# KiCad board beaglebone-ai-rev-a2.kicad_pcb (continued)
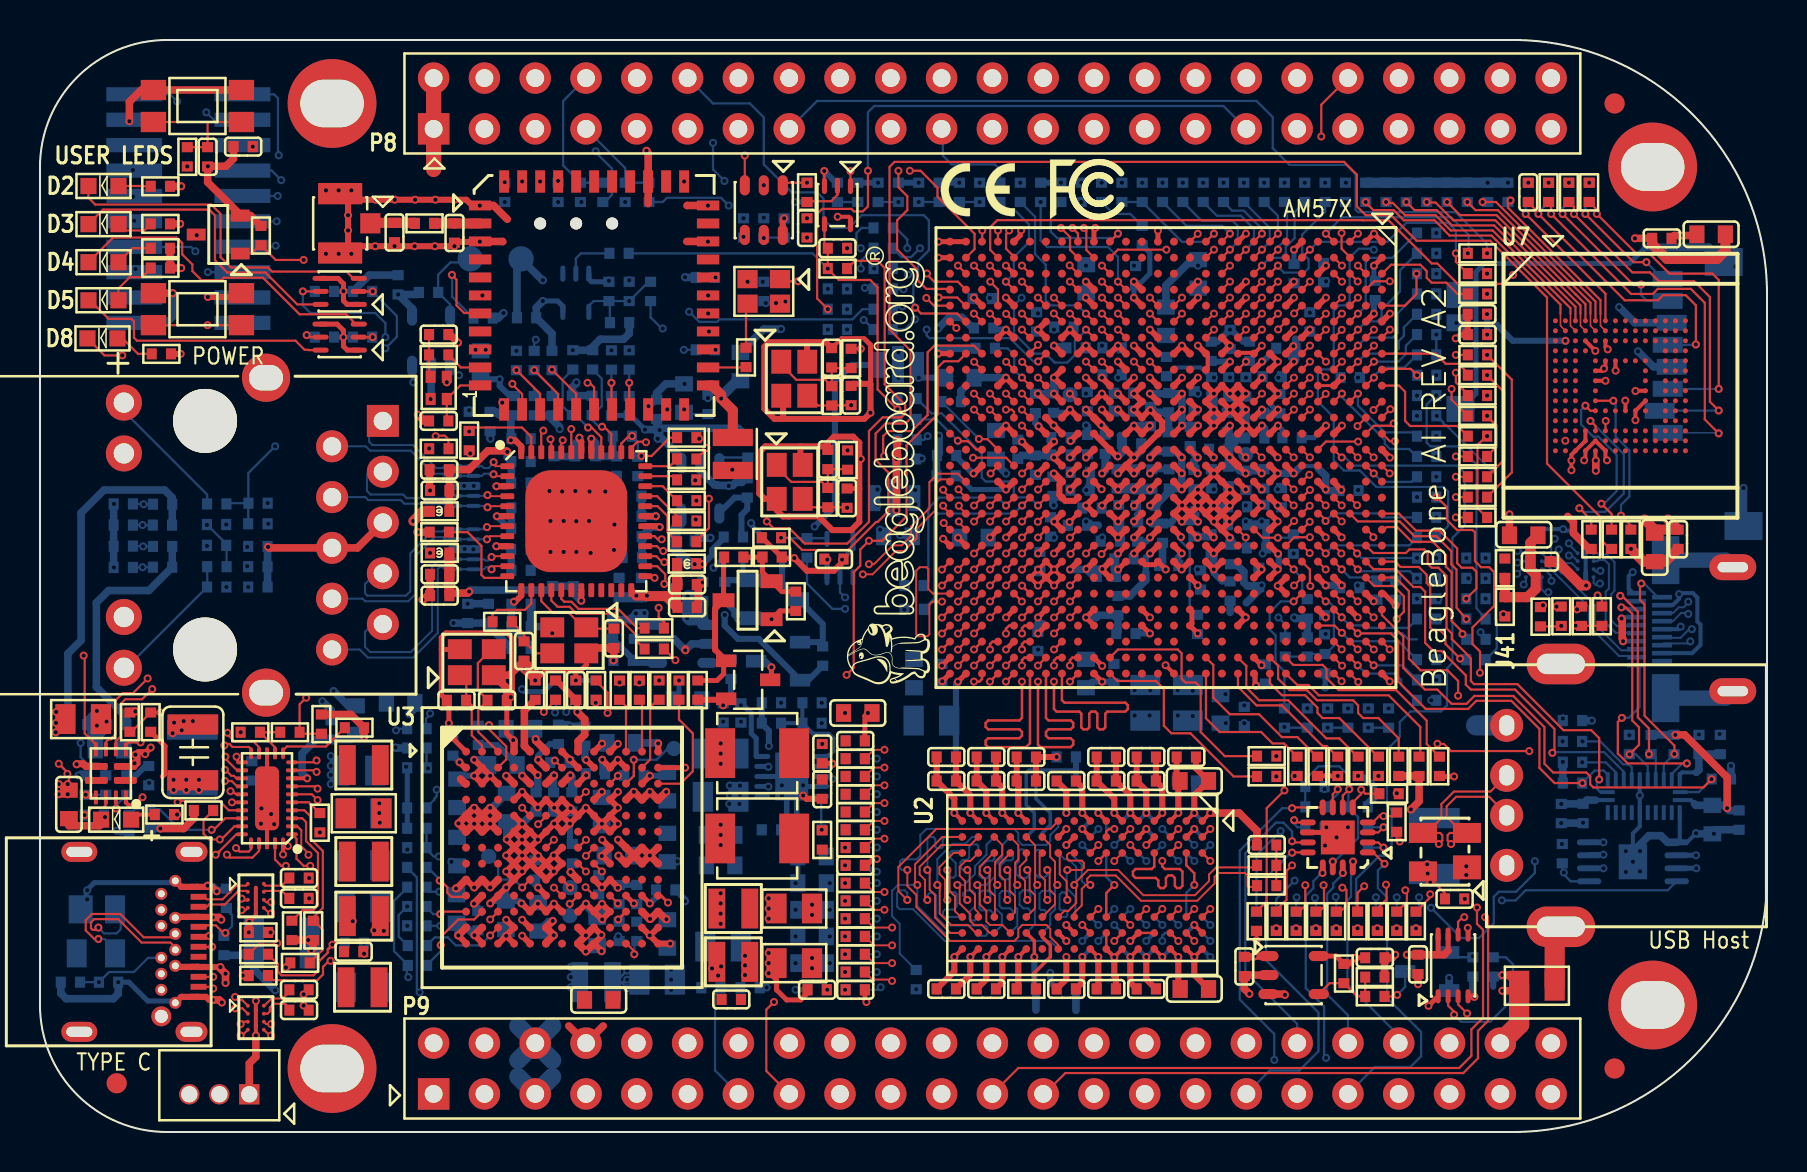
[diagram p0: board, top side]
## Footprints (pads in the part's own frame, mm; a bottom-side part is the same pattern mirrored in y, then rotated) (continued)
HDMIS19_4P4
  rect 0.23x0.952 smd: 1(-1.8,-4.816) 3(-1.4,-4.816) 5(-1,-4.816) 7(-0.6,-4.816) 9(-0.2,-4.816) 11(0.2,-4.816) 13(0.6,-4.816) 15(1,-4.816) 17(1.4,-4.816) 19(1.8,-4.816)
  rect 0.23x1 smd: 2(-1.6,-3.54) 4(-1.2,-3.54) 6(-0.8,-3.54) 8(-0.4,-3.54) 10(0,-3.54) 12(0.4,-3.54) 14(0.8,-3.54) 16(1.2,-3.54) 18(1.6,-3.54)
  oval 1.3x2.35 hole 0.508x1.52: 20(-3.1,0) 21(3.1,0)
  rect 2.4x1.38 smd: 22(-3.45,-3.36) 23(3.45,-3.36)
HEADER10X2_SMD
  rect 0.711x2.794 smd: 1(5.715,2.705) 2(5.715,-2.705) 3(4.445,2.705) 4(4.445,-2.705) 5(3.175,2.705) 6(3.175,-2.705) 7(1.905,2.705) 8(1.905,-2.705) 9(0.635,2.705) 10(0.635,-2.705) 11(-0.635,2.705) 12(-0.635,-2.705) 13(-1.905,2.705) 14(-1.905,-2.705) 15(-3.175,2.705) 16(-3.175,-2.705) 17(-4.445,2.705) 18(-4.445,-2.705) 19(-5.715,2.705) 20(-5.715,-2.705)
INDPW250X200X105N
  rect 0.85x2 smd: 1(-0.825,0) 2(0.825,0)
INDPW250X200X105N#2
  rect 0.85x2 smd: 1(0.825,0) 2(-0.825,0)
L25X20
  rect 0.864x2.007 smd: 1(0.825,0) 2(-0.825,0)
L40X40_B
  rect 1.499x2.489 smd: 1(-1.85,0) 2(1.85,0)
L0402
  rect 0.508x0.559 smd: 1(-0.483,0) 2(0.483,0)
L0402#2
  rect 0.508x0.559 smd: 1(0.483,0) 2(-0.483,0)
L0603
  rect 0.762x0.889 smd: 1(0.711,0) 2(-0.711,0)
MTGH200C125D_PL
  round 4.445 hole 3.175x2.381: 1(0,0)
OSCCC250X200X60-4N
  rect 1.2x1 smd: 1(0.85,0.65) 2(-0.85,0.65) 3(-0.85,-0.65) 4(0.85,-0.65)
OSCCC250X200X60-4N#2
  rect 1.2x1 smd: 1(-0.85,-0.65) 2(0.85,-0.65) 3(0.85,0.65) 4(-0.85,0.65)
QFN48_0D5_7X7MM
  rrect 0.7x0.3 smd: 1(-3.45,2.75) 2(-3.45,2.25) 3(-3.45,1.75) 4(-3.45,1.25) 5(-3.45,0.75) 6(-3.45,0.25) 7(-3.45,-0.25) 8(-3.45,-0.75) 9(-3.45,-1.25) 10(-3.45,-1.75) 11(-3.45,-2.25) 12(-3.45,-2.75) 25(3.45,-2.75) 26(3.45,-2.25) 27(3.45,-1.75) 28(3.45,-1.25) 29(3.45,-0.75) 30(3.45,-0.25) 31(3.45,0.25) 32(3.45,0.75) 33(3.45,1.25) 34(3.45,1.75) 35(3.45,2.25) 36(3.45,2.75)
  rrect 0.3x0.7 smd: 13(-2.75,-3.45) 14(-2.25,-3.45) 15(-1.75,-3.45) 16(-1.25,-3.45) 17(-0.75,-3.45) 18(-0.25,-3.45) 19(0.25,-3.45) 20(0.75,-3.45) 21(1.25,-3.45) 22(1.75,-3.45) 23(2.25,-3.45) 24(2.75,-3.45) 37(2.75,3.45) 38(2.25,3.45) 39(1.75,3.45) 40(1.25,3.45) 41(0.75,3.45) 42(0.25,3.45) 43(-0.25,3.45) 44(-0.75,3.45) 45(-1.25,3.45) 46(-1.75,3.45) 47(-2.25,3.45) 48(-2.75,3.45)
  rrect 5.1x5.1 smd: 49(0,0)
QFN50P300X300X100-17N
  oval 0.8x0.3 smd: 1(-1.5,0.75) 2(-1.5,0.25) 3(-1.5,-0.25) 4(-1.5,-0.75) 9(1.5,-0.75) 10(1.5,-0.25) 11(1.5,0.25) 12(1.5,0.75)
  oval 0.3x0.8 smd: 5(-0.75,-1.5) 6(-0.25,-1.5) 7(0.25,-1.5) 8(0.75,-1.5) 13(0.75,1.5) 14(0.25,1.5) 15(-0.25,1.5) 16(-0.75,1.5)
  rect 1.7x1.7 smd: 17(0,0)
R0402
  rect 0.508x0.559 smd: 1(0.483,0) 2(-0.483,0)
R0402#2
  rect 0.508x0.559 smd: 1(-0.483,0) 2(0.483,0)
R0805
  rect 1.016x1.499 smd: 1(-0.889,0) 2(0.889,0)
RJ45_MTCONN_JTRJ45-4118NLF
  round 3.2 hole 3.2 unplated: (-5.715,-0.1) (5.715,-0.1)
  rect 1.6x1.6 hole 0.914: 1(5.715,-8.99)
  round 1.6 hole 0.914: 2(4.445,-6.45) 3(3.175,-8.99) 4(1.905,-6.45) 5(0.635,-8.99) 6(-0.635,-6.45) 7(-1.905,-8.99) 8(-3.175,-6.45) 9(-4.445,-8.99) 10(-5.715,-6.45)
  round 1.803 hole 1.016: 11(6.63,3.96) 12(4.09,3.96) 13(-4.09,3.96) 14(-6.63,3.96)
  round 2.413 hole 1.276x1.702: 15(7.875,-3.15) 16(-7.875,-3.15)
SC70_5
  oval 0.813x0.254 smd: 1(0.956,-0.65) 2(0.956,0) 3(0.956,0.65) 4(-0.956,0.65) 5(-0.956,-0.65)
SD_HSF-COMPLIANT_MCTF-0606
  rect 0.8x1.5 smd: 1(1.94,-3.138) 2(0.84,-2.738) 3(-0.26,-3.138) 4(-1.36,-3.338) 5(-2.46,-3.138) 6(-3.56,-3.338) 7(-4.66,-3.138) 8(-5.76,-3.138)
  rect 0.85x1 smd: 9(-3.56,7.422)
  rect 1.4x1.9 smd: 10(6.6,-6.927) 11(-6.6,-5.938)
  rect 1.3x1.4 smd: 12(0.75,7.222) 13(-4.95,7.222)
SOP8_1FH
  oval 1.219x0.305 smd: 1(2.19,-0.975) 2(2.19,-0.325) 3(2.19,0.325) 4(2.19,0.975) 5(-2.19,0.975) 6(-2.19,0.325) 7(-2.19,-0.325) 8(-2.19,-0.975)
  rect 1.422x1.753 smd: 9(0,0)
SOT23_5
  oval 1.016x0.508 smd: 1(-1.258,0.95) 2(-1.258,0) 3(-1.258,-0.95) 4(1.258,-0.95) 5(1.258,0.95)
SOT23_5#2
  oval 1.016x0.508 smd: 1(1.258,-0.95) 2(1.258,0) 3(1.258,0.95) 4(-1.258,0.95) 5(-1.258,-0.95)
SOT23_6
  oval 1.016x0.508 smd: 1(1.242,-0.95) 2(1.242,0) 3(1.242,0.95) 4(-1.242,0.95) 5(-1.242,0) 6(-1.242,-0.95)
SOT23_123
  rect 0.635x1.016 smd: 1(0.95,1.1) 2(-0.95,1.1) 3(0,-1.1)
SOT95P240X111-3N
  rect 0.95x0.6 smd: 1(-1.1,0.95) 2(-1.1,-0.95) 3(1.1,0)
SOT95P240X120-3N
  rect 1.1x0.7 smd: 1(-1.2,0.95) 2(-1.2,-0.95) 3(1.2,0)
SOT95P240X120-3N#2
  rect 1.1x0.7 smd: 1(1.2,-0.95) 2(1.2,0.95) 3(-1.2,0)
SOT143_190P240X115-4N
  rect 1.2x1.4 smd: 1(0.76,1.1)
  rect 1x1.4 smd: 2(-0.96,1.1) 3(-0.96,-1.1) 4(0.96,-1.1)
SOT363_6
  oval 0.813x0.254 smd: 1(-0.956,0.65) 2(-0.956,0) 3(-0.956,-0.65) 4(0.956,-0.65) 5(0.956,0) 6(0.956,0.65)
SWS4B46X28
  rect 1.27x1.016 smd: 1(-2.2,-0.8) 2(-2.2,0.8) 3(2.2,-0.8) 4(2.2,0.8)
TP30
  round 0.762 smd: 1(0,0)
TP60C_SMD
  round 1.27 smd: 1(0,0)
UQFN24_0D4_4X2X0_55MM
  rrect 0.75x0.2 smd: 1(0.825,-1.8) 2(0.825,-1.4) 3(0.825,-1) 4(0.825,-0.6) 5(0.825,-0.2) 6(0.825,0.2) 7(0.825,0.6) 8(0.825,1) 9(0.825,1.4) 10(0.825,1.8) 13(-0.825,1.8) 14(-0.825,1.4) 15(-0.825,1) 16(-0.825,0.6) 17(-0.825,0.2) 18(-0.825,-0.2) 19(-0.825,-0.6) 20(-0.825,-1) 21(-0.825,-1.4) 22(-0.825,-1.8)
  rrect 0.2x0.75 smd: 11(0.2,1.825) 12(-0.2,1.825) 23(-0.2,-1.825) 24(0.2,-1.825)
USB_A_SH
  round 1.651 hole 1.016x0.762: 1(3.5,-2.71) 2(1.001,-2.71) 3(-1.001,-2.71) 4(-3.5,-2.71)
  oval 2.032x3.429 hole 1.016x2.413: 5(6.571,0) 6(-6.571,0)
USB_MTCONN_UBF31-0170
  round 1 hole 0.65: (-3.725,1.81)
  oval 1x1.6 hole 0.5x1.1: 1(4.5,0.3) 2(-4.5,0.3)
  oval 1x1.8 hole 0.5x1.3: 3(4.5,5.91) 4(-4.5,5.91)
  rect 0.3x0.802 smd: A1(2.75,-0.051) A2(2.25,-0.051) A3(1.75,-0.051) A4(1.25,-0.051) A5(0.75,-0.051) A6(0.25,-0.051) A7(-0.25,-0.051) A8(-0.75,-0.051) A9(-1.25,-0.051) A10(-1.75,-0.051) A11(-2.25,-0.051) A12(-2.75,-0.051)
  round 0.6 hole 0.35: B1(-3.05,1.11) B2(-2.4,1.81) B3(-1.6,1.81) B4(-1.2,1.11) B5(-0.8,1.81) B6(-0.4,1.11) B7(0.4,1.11) B8(0.8,1.81) B9(1.2,1.11) B10(1.6,1.81) B11(2.4,1.81) B12(3.05,1.11)
USON10_0D5_2D5X1X0D5MM
  oval 0.2x0.7 smd: 1(1,0.45) 2(0.5,0.45) 4(-0.5,0.45) 5(-1,0.45) 6(-1,-0.45) 7(-0.5,-0.45) 9(0.5,-0.45) 10(1,-0.45)
  rrect 0.4x0.7 smd: 3(0,0.45) 8(0,-0.45)
VQFN12_0D5_2X2_5X1MM
  rrect 1.15x0.35 smd: 1(-0.725,0.35) 2(-0.725,-0.35) 7(0.725,-0.35) 8(0.725,0.35)
  rrect 0.2x0.7 smd: 3(-0.75,-1.2) 4(-0.25,-1.2) 5(0.25,-1.2) 6(0.75,-1.2) 9(0.75,1.2) 10(0.25,1.2) 11(-0.25,1.2) 12(-0.75,1.2)
VSON50P300X300X100-11N
  oval 0.8x0.25 smd: 1(1.475,-1) 2(1.475,-0.5) 3(1.475,0) 4(1.475,0.5) 5(1.475,1) 6(-1.475,1) 7(-1.475,0.5) 8(-1.475,0) 9(-1.475,-0.5) 10(-1.475,-1)
  custom 1.65x3.8 smd: 11(0,0)
VSSOP8CR
  oval 0.711x0.254 smd: 1(1.544,-0.75) 2(1.544,-0.25) 3(1.544,0.25) 4(1.544,0.75) 5(-1.544,0.75) 6(-1.544,0.25) 7(-1.544,-0.25) 8(-1.544,-0.75)
WLBT90P1200X1200X160-47N
  round 0.6 hole 0.6 unplated: (-2.7,3.6) (-0.9,3.6) (0.9,3.6)
  rect 1.125x0.5 smd: 1(-5.7,4.5) 2(-5.7,3.6) 3(-5.7,2.7) 4(-5.7,1.8) 5(-5.7,0.9) 6(-5.7,0) 7(-5.7,-0.9) 8(-5.7,-1.8) 9(-5.7,-2.7) 10(-5.7,-3.6) 11(-5.7,-4.5) 23(5.7,-4.5) 24(5.7,-3.6) 25(5.7,-2.7) 26(5.7,-1.8) 27(5.7,-0.9) 28(5.7,0) 29(5.7,0.9) 30(5.7,1.8) 31(5.7,2.7) 32(5.7,3.6) 33(5.7,4.5)
  rect 0.5x1.125 smd: 12(-4.5,-5.7) 13(-3.6,-5.7) 14(-2.7,-5.7) 15(-1.8,-5.7) 16(-0.9,-5.7) 17(0,-5.7) 18(0.9,-5.7) 19(1.8,-5.7) 20(2.7,-5.7) 21(3.6,-5.7) 22(4.5,-5.7) 34(4.5,5.7) 35(3.6,5.7) 36(2.7,5.7) 37(1.8,5.7) 38(0.9,5.7) 39(0,5.7) 40(-0.9,5.7) 41(-1.8,5.7) 42(-2.7,5.7) 43(-3.6,5.7) 44(-4.5,5.7)
WLCSP10C40P3X4_117X157X60N
  round 0.2 smd: A1(-0.4,0.6) A2(-0.4,0.2) A3(-0.4,-0.2) A4(-0.4,-0.6) B1(0,0.4) B2(0,-0.4) C1(0.4,0.6) C2(0.4,0.2) C3(0.4,-0.2) C4(0.4,-0.6)
WLCSP10C40P3X4_117X157X60N#2
  round 0.2 smd: A1(0.4,-0.6) A2(0.4,-0.2) A3(0.4,0.2) A4(0.4,0.6) B1(0,-0.4) B2(0,0.4) C1(-0.4,-0.6) C2(-0.4,-0.2) C3(-0.4,0.2) C4(-0.4,0.6)
WQFN30_0D4_4_5X2_5X0_8MM
  oval 0.6x0.2 smd: 1(-1.25,1.8) 10(-1.25,-1.8) 16(1.25,-1.8) 25(1.25,1.8)
  rrect 0.6x0.2 smd: 2(-1.25,1.4) 3(-1.25,1) 4(-1.25,0.6) 5(-1.25,0.2) 6(-1.25,-0.2) 7(-1.25,-0.6) 8(-1.25,-1) 9(-1.25,-1.4) 17(1.25,-1.4) 18(1.25,-1) 19(1.25,-0.6) 20(1.25,-0.2) 21(1.25,0.2) 22(1.25,0.6) 23(1.25,1) 24(1.25,1.4)
  oval 0.2x0.6 smd: 11(-0.8,-2.25) 15(0.8,-2.25) 26(0.8,2.25) 30(-0.8,2.25)
  rrect 0.2x0.6 smd: 12(-0.4,-2.25) 13(0,-2.25) 14(0.4,-2.25) 27(0.4,2.25) 28(0,2.25) 29(-0.4,2.25)
  rrect 1.2x3.2 smd: 31(0,0)
X4S16X12
  rect 0.61x0.508 smd: 1(0.555,0.404) 2(-0.555,0.404) 3(-0.555,-0.404) 4(0.555,-0.404)
X4S25X20
  rect 1.016x0.914 smd: 1(-0.812,-0.612) 2(0.812,-0.612) 3(0.812,0.612) 4(-0.812,0.612)

## Nets
1V8_PHY_HDMI: C116.1 C149.1 C159.1 FB6.2 U4.AA16 U4.AA17 U4.W14 U4.Y17
1V8_PHY_LDO3: C121.1 FL1.1 U3.K11
1V8_PHY_LDO4: C117.1 C129.1 C135.1 FB2.1 FB6.1 FB10.1 U3.K12
1V8_PHY_SATA: C37.1 C163.1 C184.1 FL1.3 U4.AA13 U4.AB12 U4.V13 U4.W12
1V8_PLL: C123.1 C157.1 FL2.1 U3.B5 U4.AD16 U4.AE16
1V8_PLLA: C189.1 C199.1 C202.1 C207.1 C216.1 FL2.3 U4.M14 U4.N11 U4.N12 U4.N16 U4.P14 U4.P15 U4.P16 U4.R14 U4.R17
1V8_RTC: C38.1 R27.1 R150.1 R155.1 R157.1 U3.A8
3V3_SD: C151.1 C492.1 Q1.2 R8.1 R9.1 R418.1 R419.1 R420.1 R421.1 R422.1 R423.1 R424.1 U3.C6 U4.W8 U4.Y8
3V3_USB: C134.1 C148.1 U3.B9 U4.AA12 U4.Y12
/USB/VBUS_DET: R32.2 U13.5
GND_OSC0: C13.2 C14.2 R7.2 U4.AF15 X7.2 X7.4
GND_OSC1: C15.2 C16.2 R10.2 U4.AC14 X8.2 X8.4
GNDPWR: J37.15 J37.16 J41.5 J41.6 J42.1 J42.2 J42.3 J42.4 J90.10 J90.11 J90.12 J90.13 J91.20 J91.21 J91.22 J91.23 MH1.1 MH2.1 MH3.1 MH4.1 R640.2 R699.1
VDD_1V0: C83.1 FB9.1 R133.1 U16.5
VDD_1V8: C136.1 C146.1 C152.1 C154.1 C165.1 C174.1 C198.1 C201.1 C210.1 C235.1 C299.1 D6.1 D7.1 Q1.3 Q4.3 R17.1 R91.1 R702.1 U3.B6 U4.AA7 U4.AA18 U4.AA19 U4.AB13 U4.G18 U4.H17 U4.J21 U4.J22 U4.M8 U4.M9 U4.N8 U4.N21 U4.P8 U4.P20 U4.P21 U4.R8 U4.T8 U4.V21 U4.V22 U4.W17 U4.W18 U4.W21 U4.Y7 U4.Y21
VDD_2V5: C77.1 FB8.1 R119.1 U15.5
VDD_3V3: C2.1 C27.1 C78.1 C79.1 C82.1 C84.1 C88.1 C122.1 C125.1 C130.1 C145.1 C155.1 C161.1 C186.1 C192.1 C208.1 C245.1 C259.1 C261.1 C269.1 C270.1 C271.1 C272.1 C278.1 C286.1 C300.1 C325.1 C353.2 C461.1 C472.1 C491.1 FB1.1 FB3.1 FB4.2 FB5.1 J90.4 L22.2 OSC1.4 P2.5 P9.3 P9.4 Q4.2 R3.1 R4.1 R21.1 R24.2 R38.1 R44.1 R54.1 R74.2 R80.1 R82.2 R85.1 R87.1 R122.1 R124.2 R127.1 R134.2 R156.1 R162.1 R164.1 R168.1 R169.1 R173.1 R174.2 R180.2 R192.2 R193.2 R194.2 R338.1 R516.2 R560.1 R561.1 R562.1 R563.1 R564.1 R565.1 R588.2 R590.1 R591.1 R592.1 R593.1 R594.1 R611.2 R689.1 R692.1 R693.1 R701.1 R703.1 U1.10 U3.D9 U3.J8 U4.AB6 U4.AB7 U4.AD5 U4.AD7 U4.AE7 U4.AF5 U4.B6 U4.B23 U4.C24 U4.D10 U4.D16 U4.D22 U4.E3 U4.E5 U4.E10 U4.E16 U4.E22 U4.G4 U4.G5 U4.G15 U4.H8 U4.H9 U4.H10 U4.H11 U4.H15 U4.H16 U4.H18 U4.H19 U4.N4 U4.N5 U4.P10 U4.R7 U4.R10 U4.T4 U4.T5 U4.U10 U4.V12 U4.W4 U4.W5 U6.5 U7.E6 U7.F5 U7.J10 U7.K9 U8.5 U9.4 U10.6 U15.1 U16.1 U37.9 U40.3 U46.7 U46.8 U90.5
VDD_5V: C29.1 C113.1 C114.1 C115.1 C126.1 C127.1 C128.1 C132.1 C139.1 C156.1 C164.1 C169.1 C170.1 C172.1 C194.1 C195.1 C196.1 C480.1 C481.1 C482.1 C483.1 C489.2 FB7.2 P9.7 P9.8 R35.1 R41.1 R59.1 R108.1 R130.1 U3.A6 U3.A9 U3.A10 U3.C4 U3.C5 U3.C7 U3.D11 U3.D12 U3.D13 U3.E1 U3.E2 U3.E3 U3.F1 U3.F2 U3.F3 U3.G11 U3.G12 U3.G13 U3.H11 U3.H12 U3.H13 U3.J1 U3.J2 U3.J3 U3.L12 U3.L13 U3.M4 U3.M6 U3.M8 U3.M9 U3.N3 U3.N4 U3.N6 U3.N8 U3.N9 U12.1 U12.8 U13.30 U40.1 U48.2 U48.3
VDD_ADC: C490.1 P9.32 R656.2 U40.5
VDD_ADC_SEL: Q17.1 R659.1 U4.AD3
VDD_CAPE_5V: C33.1 C34.1 P9.5 P9.6 R75.1 R76.1 U12.2
VDD_CORE: C138.1 C176.1 C178.1 C185.1 C187.1 C190.1 C193.1 C200.1 C203.1 C218.1 C236.1 C242.1 C258.1 C266.1 C297.1 L20.2 U3.B1 U4.AB15 U4.H13 U4.H14 U4.J17 U4.J18 U4.L7 U4.L8 U4.N10 U4.N13 U4.P11 U4.P12 U4.P13 U4.R11 U4.R16 U4.R19 U4.T13 U4.T16 U4.T19 U4.U8 U4.U9 U4.U13 U4.U16 U4.V8 U4.V16
VDD_DDR: C4.1 C5.1 C9.1 C10.1 C11.1 C12.1 C17.1 C18.1 C19.1 C22.1 C23.1 C24.1 C25.1 C26.1 C36.1 C39.1 C40.1 C49.1 C58.1 C60.1 C61.1 C89.1 C94.1 C95.1 C97.1 C99.1 C100.1 C101.1 C102.1 C103.1 C104.1 C118.1 C119.1 C120.1 C124.1 C131.1 C140.1 C141.1 C143.1 C162.1 C166.1 C180.1 C211.1 C213.1 C224.1 C225.1 C227.1 C230.1 C231.1 C237.1 C262.1 C295.1 C462.1 L16.2 R2.1 R671.1 R672.1 R673.1 R674.1 R675.1 U1.2 U2.A1 U2.A8 U2.B2 U2.C1 U2.C9 U2.D2 U2.D9 U2.E9 U2.F1 U2.G7 U2.H2 U2.H9 U2.K2 U2.K8 U2.N1 U2.N9 U2.R1 U2.R9 U3.K13 U4.AA21 U4.AA22 U4.AB21 U4.AB22 U4.AB24 U4.AB25 U4.AC22 U4.AD26 U4.AG20 U4.AG28 U4.AH27 U4.E24 U4.G22 U4.G23 U4.H20 U4.H21 U4.H22 U4.J27 U4.L20 U4.L21 U4.M20 U4.M21 U4.T24 U4.T25 U4.W16 U4.W27 U11.A1 U11.A8 U11.B2 U11.C1 U11.C9 U11.D2 U11.D9 U11.E9 U11.F1 U11.G7 U11.H2 U11.H9 U11.K2 U11.K8 U11.N1 U11.N9 U11.R1 U11.R9
VDD_DIMM: C281.1 C283.1 U7.C2
VDD_DSPEVE: C215.1 C217.1 C220.1 C232.1 C233.1 C234.1 C256.1 C257.1 C263.1 C265.1 C298.1 L17.2 L18.2 U3.K2 U4.J13 U4.K10 U4.K11 U4.K12 U4.K13 U4.L10 U4.L11 U4.L12 U4.M10 U4.M11 U4.M12 U4.M13
VDD_EMMC: C282.1 C285.1 C496.1 R175.1 R176.1 R177.1 R178.1 R179.1 R184.1 R185.1 R186.1 R188.1 R702.2 R703.2 U4.J8 U4.K8 U7.C6 U7.M4 U7.N4 U7.P3 U7.P5
VDD_GPU: C171.1 C177.1 C182.1 C183.1 C238.1 C255.1 C264.1 L19.2 U3.K6 U4.U11 U4.U12 U4.V10 U4.V11 U4.V14 U4.W10 U4.W11 U4.W13
VDD_IVA: C93.1 C110.1 C175.1 C181.1 C296.1 L21.2 U3.L11 U4.U18 U4.U19 U4.V18 U4.V19
VDD_MPU: C96.1 C105.1 C111.1 C112.1 C168.1 C188.1 C197.1 C205.1 C206.1 C212.1 C221.1 C222.1 C223.1 C293.1 C294.1 L1.2 L2.2 U3.B13 U4.K17 U4.K18 U4.L15 U4.L16 U4.L17 U4.L18 U4.L19 U4.M15 U4.M16 U4.M17 U4.M18 U4.N17 U4.N18 U4.P17 U4.P18 U4.R18
VDD_RTC: C43.1 U3.A5
VDD_VREF_IN: C1.1 R1.1 R2.2 U1.1
3220_ID: R47.1 R51.2 U4.AG2 U13.27
/ADC_TF_Debug/UART1_RX: J92.2 R708.1 U46.2
/ADC_TF_Debug/UART1_TX: J92.3 U46.3
/AM572x Interfaces/AM572x Interface 1/MII0_TX_CLK: R97.1 U4.W9
/AM572x Interfaces/AM572x Interface 1/MII0_TX_EN: R96.1 U4.V9
/AM572x Interfaces/AM572x Interface 1/MII0_TXD0: R92.1 U4.U6
/AM572x Interfaces/AM572x Interface 1/MII0_TXD1: R93.1 U4.V6
/AM572x Interfaces/AM572x Interface 1/MII0_TXD2: R94.1 U4.U7
/AM572x Interfaces/AM572x Interface 1/MII0_TXD3: R95.1 U4.V7
/AM572x Interfaces/AM572x Interface 1/PR2_MII0_RXD2: R608.1 U4.A19
/AM572x SYSTEM/MR_L: R595.1 U10.3
/AM572x SYSTEM/OSC0_IN: C13.1 R11.2 U4.AE15 X7.3
/AM572x SYSTEM/OSC0_OUT: R14.2 U4.AD15
/AM572x SYSTEM/OSC1_IN: C15.1 R12.2 U4.AC15 X8.3
/AM572x SYSTEM/OSC1_OUT: R15.2 U4.AC13
/AM572x SYSTEM/PORZ: C321.1 R595.2 S1.2 S1.4
/AM572x SYSTEM/PORZn: R70.2 U4.F22
/AM572x SYSTEM/RESETn: C267.1 R169.2 R642.1 U4.E23
/AM572x SYSTEM/RSTN: R83.1 U6.2
/AM572x SYSTEM/RSTOUTn: R57.1 U4.F23 U8.2
/AM572x SYSTEM/RTC_PORZn: C80.1 R70.1 R89.2 R90.2 R680.1 U6.4
/AM572x SYSTEM/SYS_WARMRESETn: P2.15 R642.2
/DDR/DDR Part 1/DDR1_D0: U4.AF25 U11.E3
/DDR/DDR Part 1/DDR1_D1: U4.AF26 U11.F2
/DDR/DDR Part 1/DDR1_D2: U4.AG26 U11.H7
/DDR/DDR Part 1/DDR1_D3: U4.AH26 U11.H8
/DDR/DDR Part 1/DDR1_D4: U4.AF24 U11.G2
/DDR/DDR Part 1/DDR1_D5: U4.AE24 U11.H3
/DDR/DDR Part 1/DDR1_D6: U4.AF23 U11.F7
/DDR/DDR Part 1/DDR1_D7: U4.AE23 U11.F8
/DDR/DDR Part 1/DDR1_D8: U4.AC23 U11.A2
/DDR/DDR Part 1/DDR1_D9: U4.AF27 U11.D7
/DDR/DDR Part 1/DDR1_D10: U4.AG27 U11.B8
/DDR/DDR Part 1/DDR1_D11: U4.AF28 U11.C8
/DDR/DDR Part 1/DDR1_D12: U4.AE26 U11.C3
/DDR/DDR Part 1/DDR1_D13: U4.AC25 U11.C2
/DDR/DDR Part 1/DDR1_D14: U4.AC24 U11.A7
/DDR/DDR Part 1/DDR1_D15: U4.AD25 U11.A3
/DDR/DDR Part 1/DDR1_D16: U2.H8 U4.V20
/DDR/DDR Part 1/DDR1_D17: U2.H7 U4.W20
/DDR/DDR Part 1/DDR1_D18: U2.E3 U4.AB28
/DDR/DDR Part 1/DDR1_D19: U2.F2 U4.AC28
/DDR/DDR Part 1/DDR1_D20: U2.G2 U4.AC27
/DDR/DDR Part 1/DDR1_D21: U2.F7 U4.Y19
/DDR/DDR Part 1/DDR1_D22: U2.H3 U4.AB27
/DDR/DDR Part 1/DDR1_D23: U2.F8 U4.Y20
/DDR/DDR Part 1/DDR1_D24: U2.A7 U4.AA23
/DDR/DDR Part 1/DDR1_D25: U2.D7 U4.Y22
/DDR/DDR Part 1/DDR1_D26: U2.C8 U4.Y23
/DDR/DDR Part 1/DDR1_D27: U2.C3 U4.AA24
/DDR/DDR Part 1/DDR1_D28: U2.B8 U4.Y24
/DDR/DDR Part 1/DDR1_D29: U2.A2 U4.AA26
/DDR/DDR Part 1/DDR1_D30: U2.A3 U4.AA25
/DDR/DDR Part 1/DDR1_D31: U2.C2 U4.AA28
/DDR/DDR Part 1/DDR1_DQM0: U4.AD23 U11.E7
/DDR/DDR Part 1/DDR1_DQM1: U4.AB23 U11.D3
/DDR/DDR Part 1/DDR1_DQM2: U2.E7 U4.AC26
/DDR/DDR Part 1/DDR1_DQM3: U2.D3 U4.AA27
/DDR/DDR Part 1/DDR1_DQS0: U4.AH25 U11.F3
/DDR/DDR Part 1/DDR1_DQS1: U4.AE27 U11.C7
/DDR/DDR Part 1/DDR1_DQS2: U2.F3 U4.AD27
/DDR/DDR Part 1/DDR1_DQS3: U2.C7 U4.Y28
/DDR/DDR Part 1/DDR1_DQSN0: U4.AG25 U11.G3
/DDR/DDR Part 1/DDR1_DQSN1: U4.AE28 U11.B7
/DDR/DDR Part 1/DDR1_DQSN2: U2.G3 U4.AD28
/DDR/DDR Part 1/DDR1_DQSN3: U2.B7 U4.Y27
/Ethernet/PHY_GPIO0: R170.2 R181.1 U14.39
/Ethernet/PHY_GPIO1: R171.2 R187.1 U14.40
/Ethernet/PHY_LED0: R138.2 R141.2 R154.1 U14.47
/Ethernet/PHY_LED1: R153.2 R158.2 R163.1 U14.46
/Ethernet/PHY_LED2: R144.2 R165.2 R166.1 U14.45
/Ethernet/PHY_MDC: R117.2 U14.16
/Ethernet/PHY_MDIO: R116.2 U14.17
/Ethernet/PHY_RBIAS: R118.1 U14.12
/Ethernet/PHY_TD_A_M: J37.2 U14.2 U17.2 U17.9
/Ethernet/PHY_TD_A_P: J37.1 U14.1 U17.1 U17.10
/Ethernet/PHY_TD_B_M: J37.4 U14.5 U17.5 U17.6
/Ethernet/PHY_TD_B_P: J37.3 U14.4 U17.4 U17.7
/Ethernet/PHY_TD_C_M: J37.8 U14.8 U18.2 U18.9
/Ethernet/PHY_TD_C_P: J37.7 U14.7 U18.1 U18.10
/Ethernet/PHY_TD_D_M: J37.10 U14.11 U18.5 U18.6
/Ethernet/PHY_TD_D_P: J37.9 U14.10 U18.4 U18.7
/Ethernet/PHY_VDDA_1V8_1: C85.1 C86.1 FB2.2 U14.13
/Ethernet/PHY_VDDA_1V8_2: C137.1 C142.1 FB10.2 U14.48
/Ethernet/PHY_XI: C334.1 U14.15 X9.1
/Ethernet/PHY_XO_R: R105.1 U14.14
/Ethernet/RX_CLK: R114.2 U14.32
/Ethernet/RX_CTRL: R115.2 R167.2 R172.1 U14.38
/Ethernet/RX_D0: R106.2 U14.33
/Ethernet/RX_D1: R109.2 U14.34
/Ethernet/RX_D2: R110.2 U14.35
/Ethernet/RX_D3: R111.2 U14.36
/Ethernet/U15_FB: R119.2 R120.1 U15.4
/Ethernet/U16_FB: R133.2 R135.1 U16.4
/Exp Conn/CLKOUT3: P9.41 R579.2 R580.2
/Exp Conn/EEP_WP: R21.2 TP1.1 U9.5
/Exp Conn/GPIO4_3: P8.15 R681.2 R682.2
/Exp Conn/GPIO4_18: P9.42 R577.2 R578.2
/Exp Conn/I2C4_SCL: P9.19 R634.2 R635.2
/Exp Conn/I2C4_SDA: P9.20 R638.2 R639.2
/Exp Conn/I2C5_SCL: P9.17 R632.2 R633.2
/Exp Conn/I2C5_SDA: P9.18 R636.2 R637.2
/Exp Conn/LCD_CLK: P8.28 R622.2 R623.2
/Exp Conn/LCD_DATA0: P8.45 R662.2 R663.2
/Exp Conn/LCD_DATA1: P8.46 R664.2 R665.2
/Exp Conn/LCD_DATA8: P8.37 R626.2 R627.2
/Exp Conn/LCD_DATA9: P8.38 R630.2 R631.2
/Exp Conn/LCD_DATA10: P8.36 R685.2 R686.2
/Exp Conn/LCD_DATA11: P8.34 R683.2 R684.2
/Exp Conn/LCD_DATA12: P8.35 R628.2 R629.2
/Exp Conn/LCD_DATA13: P8.33 R614.2 R615.2
/Exp Conn/LCD_DATA14: P8.31 R618.2 R619.2
/Exp Conn/LCD_DATA15: P8.32 R616.2 R617.2
/Exp Conn/LCD_DE: P8.30 R620.2 R621.2
/Exp Conn/LCD_HSYNC: P8.29 R624.2 R625.2
/Exp Conn/LCD_VSYNC: P8.27 R666.2 R667.2
/Exp Conn/MCASP_FSR: P9.27 R668.2 R669.2
/Exp Conn/SPI3_D1: P9.29 R643.2 R644.2
/Exp Conn/SPI3_SCLK: P9.31 R645.2 R646.2
/Exp Conn/TIMER11: P8.7 R28.2 R67.2
/Exp Conn/TIMER12: P8.8 R23.2 R68.2
/Exp Conn/UART3_RXD: P9.22 R696.2 R697.2
/Exp Conn/UART3_TXD: P9.21 R694.2 R695.2
/Exp Conn/UART5_RXD: P9.11 R687.2 R688.2
/Exp Conn/UART5_TXD: P9.13 R5.2 R6.2
/Exp Conn/UART10_RXD: P9.26 R652.2 R653.2
/HDMI/HDMI_5V_OUT: C30.1 C31.1 J91.19 R64.1 R65.1 U5.12
/HDMI/HDMI_CEC: J91.15 R66.2 U5.6
/HDMI/HDMI_CKN: J91.14 U91.A3
/HDMI/HDMI_CKP: J91.12 U91.A4
/HDMI/HDMI_HPD: J91.1 U5.9
/HDMI/HDMI_SCL: J91.17 R65.2 U5.7
/HDMI/HDMI_SDA: J91.18 R64.2 U5.8
/HDMI/HDMI_T0N: J91.11 U91.A1
/HDMI/HDMI_T0P: J91.9 U91.A2
/HDMI/HDMI_T1N: J91.8 U92.A3
/HDMI/HDMI_T1P: J91.6 U92.A4
/HDMI/HDMI_T2N: J91.5 U92.A1
/HDMI/HDMI_T2P: J91.3 U92.A2
/HDMI/U5_VCCA_3V3: C32.1 C497.1 FB4.1 R16.1 R61.1 R62.1 R63.1 R66.1 U5.23
/MMC_UBOOT/MMC2_CLK: R202.1 U7.M6
/MMC_UBOOT/MMC2_CMD: R188.2 U4.H6 U7.M5
/MMC_UBOOT/MMC2_DAT0: R186.2 U4.J4 U7.A3
/MMC_UBOOT/MMC2_DAT1: R185.2 U4.J6 U7.A4
/MMC_UBOOT/MMC2_DAT2: R184.2 U4.H4 U7.A5
/MMC_UBOOT/MMC2_DAT3: R179.2 U4.H5 U7.B2
/MMC_UBOOT/MMC2_DAT4: R178.2 U4.K7 U7.B3
/MMC_UBOOT/MMC2_DAT5: R177.2 U4.M7 U7.B4
/MMC_UBOOT/MMC2_DAT6: R176.2 U4.J5 U7.B5
/MMC_UBOOT/MMC2_DAT7: R175.2 U4.K6 U7.B6
/USB/3220_ADDR: R59.2 R60.1 U13.22
/USB/CC1: D46.2 J42.A5 R533.1 U13.2
/USB/CC2: D47.2 J42.B5 R534.1 U13.1
/USB/CP2: R75.2 R77.1 U12.3
/USB/CUR_MD: R41.2 U13.3
/USB/DIR: R45.2 U13.11
/USB/ENn_CC: R50.1 U13.29
/USB/ENn_MUX: R46.1 R47.2 U13.12
/USB/ILM: R79.1 U12.10
/USB/INT/OUT3: R53.2 R69.1 U13.23
/USB/OV1: R73.1 R554.2 U12.5
/USB/OV2: R76.2 R78.1 U12.4
/USB/PORT: R35.2 R191.1 U13.4
/USB/PR1: R71.2 R72.1 U12.6
/USB/SCL: R48.1 U13.26
/USB/SDA: R49.1 U13.25
/USB/SS: C44.1 U12.11
/USB/SSRX1+: J42.B11 U88.A3
/USB/SSRX1-: J42.B10 U88.A4
/USB/SSRX1N_A: U13.14 U88.C4
/USB/SSRX1P_A: U13.15 U88.C3
/USB/SSRX2+: J42.A11 U89.A3
/USB/SSRX2-: J42.A10 U89.A4
/USB/SSRX2N_A: U13.18 U89.C4
/USB/SSRX2P_A: U13.19 U89.C3
/USB/SSTX1+: J42.A2 U88.A1
/USB/SSTX1-: J42.A3 U88.A2
/USB/SSTX1N_A: C444.1 U88.C2
/USB/SSTX1N_C: C444.2 U13.16
/USB/SSTX1P_A: C443.1 U88.C1
/USB/SSTX1P_C: C443.2 U13.17
/USB/SSTX2+: J42.B2 U89.A1
/USB/SSTX2-: J42.B3 U89.A2
/USB/SSTX2N_A: C445.1 U89.C2
/USB/SSTX2N_C: C445.2 U13.20
/USB/SSTX2P_A: C446.1 U89.C1
/USB/SSTX2P_C: C446.2 U13.21
/WiFi/LPO_IN_32K: R576.2 U37.24
/WiFi/MMC4_DATA0_R: R336.2 R564.2 U37.18
/WiFi/MMC4_DATA1_R: R337.2 R565.2 U37.19
/WiFi/MMC4_DATA2_R: R333.2 R561.2 U37.14
/WiFi/MMC4_DATA3_R: R334.2 R562.2 U37.15
/WiFi/WIFI/BT_VDDIO: C3.1 R611.1 U37.22
/WiFi/WIFI_LDO_IN: C464.1 L30.2 U37.23
/WiFi/WIFI_LDO_OUT: L30.1 U37.21
/WiFi/X4_XTAL_IN: R294.2 U37.10
/WiFi/X4_XTAL_IN_R: C463.1 R294.1 X4.3
/WiFi/X4_XTAL_OUT: C68.1 U37.11 X4.1
A3_GPIO4_27: R682.1 U4.A3
A5_VOUT1_D12: R628.1 U4.A5
A7_GPIO8_18: P8.17 U4.A7
A8_GPIO8_19: R667.1 U4.A8
A9_GPIO8_21: R624.1 U4.A9
A10_GPIO8_23: R665.1 U4.A10
A11_SPI3_D1: R643.1 U4.A11
A12_SPI3_CS0: P9.28 U4.A12
A13_TIMER10: P8.10 U4.A13
A21_UART8_TXD: R627.1 U4.A21
A22_SPI2_CS1: P9.23 U4.A22
A26_UART3_RXD: R697.1 U4.A26
AB5_MMC3_DATA7: P8.4 U4.AB5
AB8_MMC3_DATA6: P8.3 U4.AB8
AB10_GPIO6_12: R6.1 U4.AB10
AC3_MMC3_DATA3: P8.6 U4.AC3
AC4_MMC3_CMD: P8.20 U4.AC4
AC6_MMC3_DATA1: P8.24 U4.AC6
AC7_MMC3_DATA0: P8.25 U4.AC7
AC8_MMC3_DATA4: P8.23 U4.AC8
AC9_MMC3_DATA2: P8.5 U4.AC9
AD4_MMC3_CLK: P8.21 R585.1
AD6_MMC3_DATA5: P8.22 U4.AD6
AD9_EQEP1A_IN: R629.1 U4.AD9
AE2_GPIO3_24: R653.1 U4.AE2
AF8_TIMER13: R694.1 U4.AF8
AF9_EQEP1B_IN: R615.1 U4.AF9
AG4_GPIO3_12: P9.15 U4.AG4
AG6_GPIO3_10: P8.12 U4.AG6
AH4_GPIO3_11: P8.11 U4.AH4
AH5_PWR_ST: R81.2 U4.AH5
AIN0: P9.39 U78.13
AIN1: P9.40 U78.16
AIN2: P9.37 U78.1
AIN3: P9.38 U78.15
AIN4: P9.33 U78.12
AIN5: P9.36 U78.11
AIN6: P9.35 U78.8
B3_GPIO4_28: P8.26 U4.B3
B4_GPIO4_29: P8.16 U4.B4
B7_GPIO8_16: R663.1 U4.B7
B8_GPIO8_17: R688.1 U4.B8
B9_GPIO8_22: R621.1 U4.B9
B10_VOUT1_DE: R620.1 U4.B10
B12_SPI3_SCLK: R645.1 U4.B12
B13_SPI3_D0: P9.30 U4.B13
B14_MCASP_ACLKR: P9.12 U4.B14
B19_UART5_RXD: R687.1 U4.B19
B22_UART3_TXD: R695.1 U4.B22
B24_SPI2_CS0: R632.1 U4.B24
B26_TIMER15: R696.1 U4.B26
C1_GPIO4_7: R580.1 U4.C1
C2_GPIO4_14: R578.1 U4.C2
C3_GPIO4_15: R668.1 U4.C3
C5_EHRPWM3B: P9.16 U4.C5
C6_VOUT1_D13: R614.1 U4.C6
C7_VOUT1_D15: R616.1 U4.C7
C8_VOUT1_D14: R619.1 U4.C8
C9_GPIO8_20: R623.1 U4.C9
C11_VOUT1_HSYNC: R625.1 U4.C11
C14_MCASP1_ACLKx: R646.1 U4.C14
C17_UART5_TXD: R5.1 U4.C17
C18_UART8_RXD: R630.1 U4.C18
C23_CLKOUT3: R579.1 U4.C23
D1_GPIO4_3: R681.1 U4.D1
D2_UART8_CTSN: R639.1 U4.D2
D3_EHRPWM2B: P8.13 U4.D3
D5_GPIO4_13: P8.14 U4.D5
D6_EHRPWM3A: P9.14 U4.D6
D7_VOUT1_D10: R685.1 U4.D7
D8_VOUT1_D11: R683.1 U4.D8
D9_VOUT1_D9: R631.1 U4.D9
D11_VOUT1_CLK: R622.1 U4.D11
D14_MCASP1_FSX: R644.1 U4.D14
D17_UART8_RTSN: R617.1 U4.D17
D18_DPIO6_17: P9.25 R584.1
DDR1_A0: R36.2 U2.N3 U4.AD20 U11.N3
DDR1_A1: R137.2 U2.P7 U4.AC19 U11.P7
DDR1_A2: R37.2 U2.P3 U4.AC20 U11.P3
DDR1_A3: R39.2 U2.N2 U4.AB19 U11.N2
DDR1_A4: R136.2 U2.P8 U4.AF21 U11.P8
DDR1_A5: R43.2 U2.P2 U4.AH22 U11.P2
DDR1_A6: R131.2 U2.R8 U4.AG23 U11.R8
DDR1_A7: R160.2 U2.R2 U4.AE21 U11.R2
DDR1_A8: R123.2 U2.T8 U4.AF22 U11.T8
DDR1_A9: R40.2 U2.R3 U4.AE22 U11.R3
DDR1_A10: R125.2 U2.L7 U4.AD21 U11.L7
DDR1_A11: R31.2 U2.R7 U4.AD22 U11.R7
DDR1_A12: R132.2 U2.N7 U4.AC21 U11.N7
DDR1_A13: R142.2 U2.T3 U4.AF18 U11.T3
DDR1_A14: R128.2 U2.T7 U4.AE17 U11.T7
DDR1_A15: R30.2 U2.M7 U4.AD18 U11.M7
DDR1_BA0: R33.2 U2.M2 U4.AF17 U11.M2
DDR1_BA1: R34.2 U2.N8 U4.AE18 U11.N8
DDR1_BA2: R42.2 U2.M3 U4.AB18 U11.M3
DDR1_CASN: R140.2 U2.K3 U4.AC18 U11.K3
DDR1_CKE: R126.2 U2.K9 U4.AG22 U11.K9
DDR1_CLK0: R26.2 U2.J7 U4.AG24 U11.J7
DDR1_CLK0N: R29.2 U2.K7 U4.AH24 U11.K7
DDR1_CSN0: R129.2 U2.L2 U4.AH23 U11.L2
DDR1_ODT0: R161.2 U2.K1 U4.AE20 U11.K1
DDR1_RASN: R25.2 U2.J3 U4.AF20 U11.J3
DDR1_RST: R139.1 U2.T2 U4.AG21 U11.T2
DDR1_WEN: R143.2 U2.L3 U4.AH21 U11.L3
DDR_VREFSTL: C8.1 C20.1 C35.1 C98.1 C99.2 C143.2 C144.1 C158.1 C209.1 U1.6 U2.H1 U2.M8 U4.N22 U4.Y18 U11.H1 U11.M8
E6_EHRPWM2A: P8.19 U4.E6
E7_LCD_DATA7: P8.40 U4.E7
E8_VOUT1_D8: R626.1 U4.E8
E9_LCD_DATA4: P8.41 U4.E9
E11_VOUT1_VSYNC: R666.1 U4.E11
E14_GPIO4_18: R577.1 U4.E14
E17_TIMER14: P8.9 U4.E17
E21_UAR10_RXD: R652.1 U4.E21
